# Altium PCB controller_V1.3.1.PcbDoc (part 6 of 7) (continued)
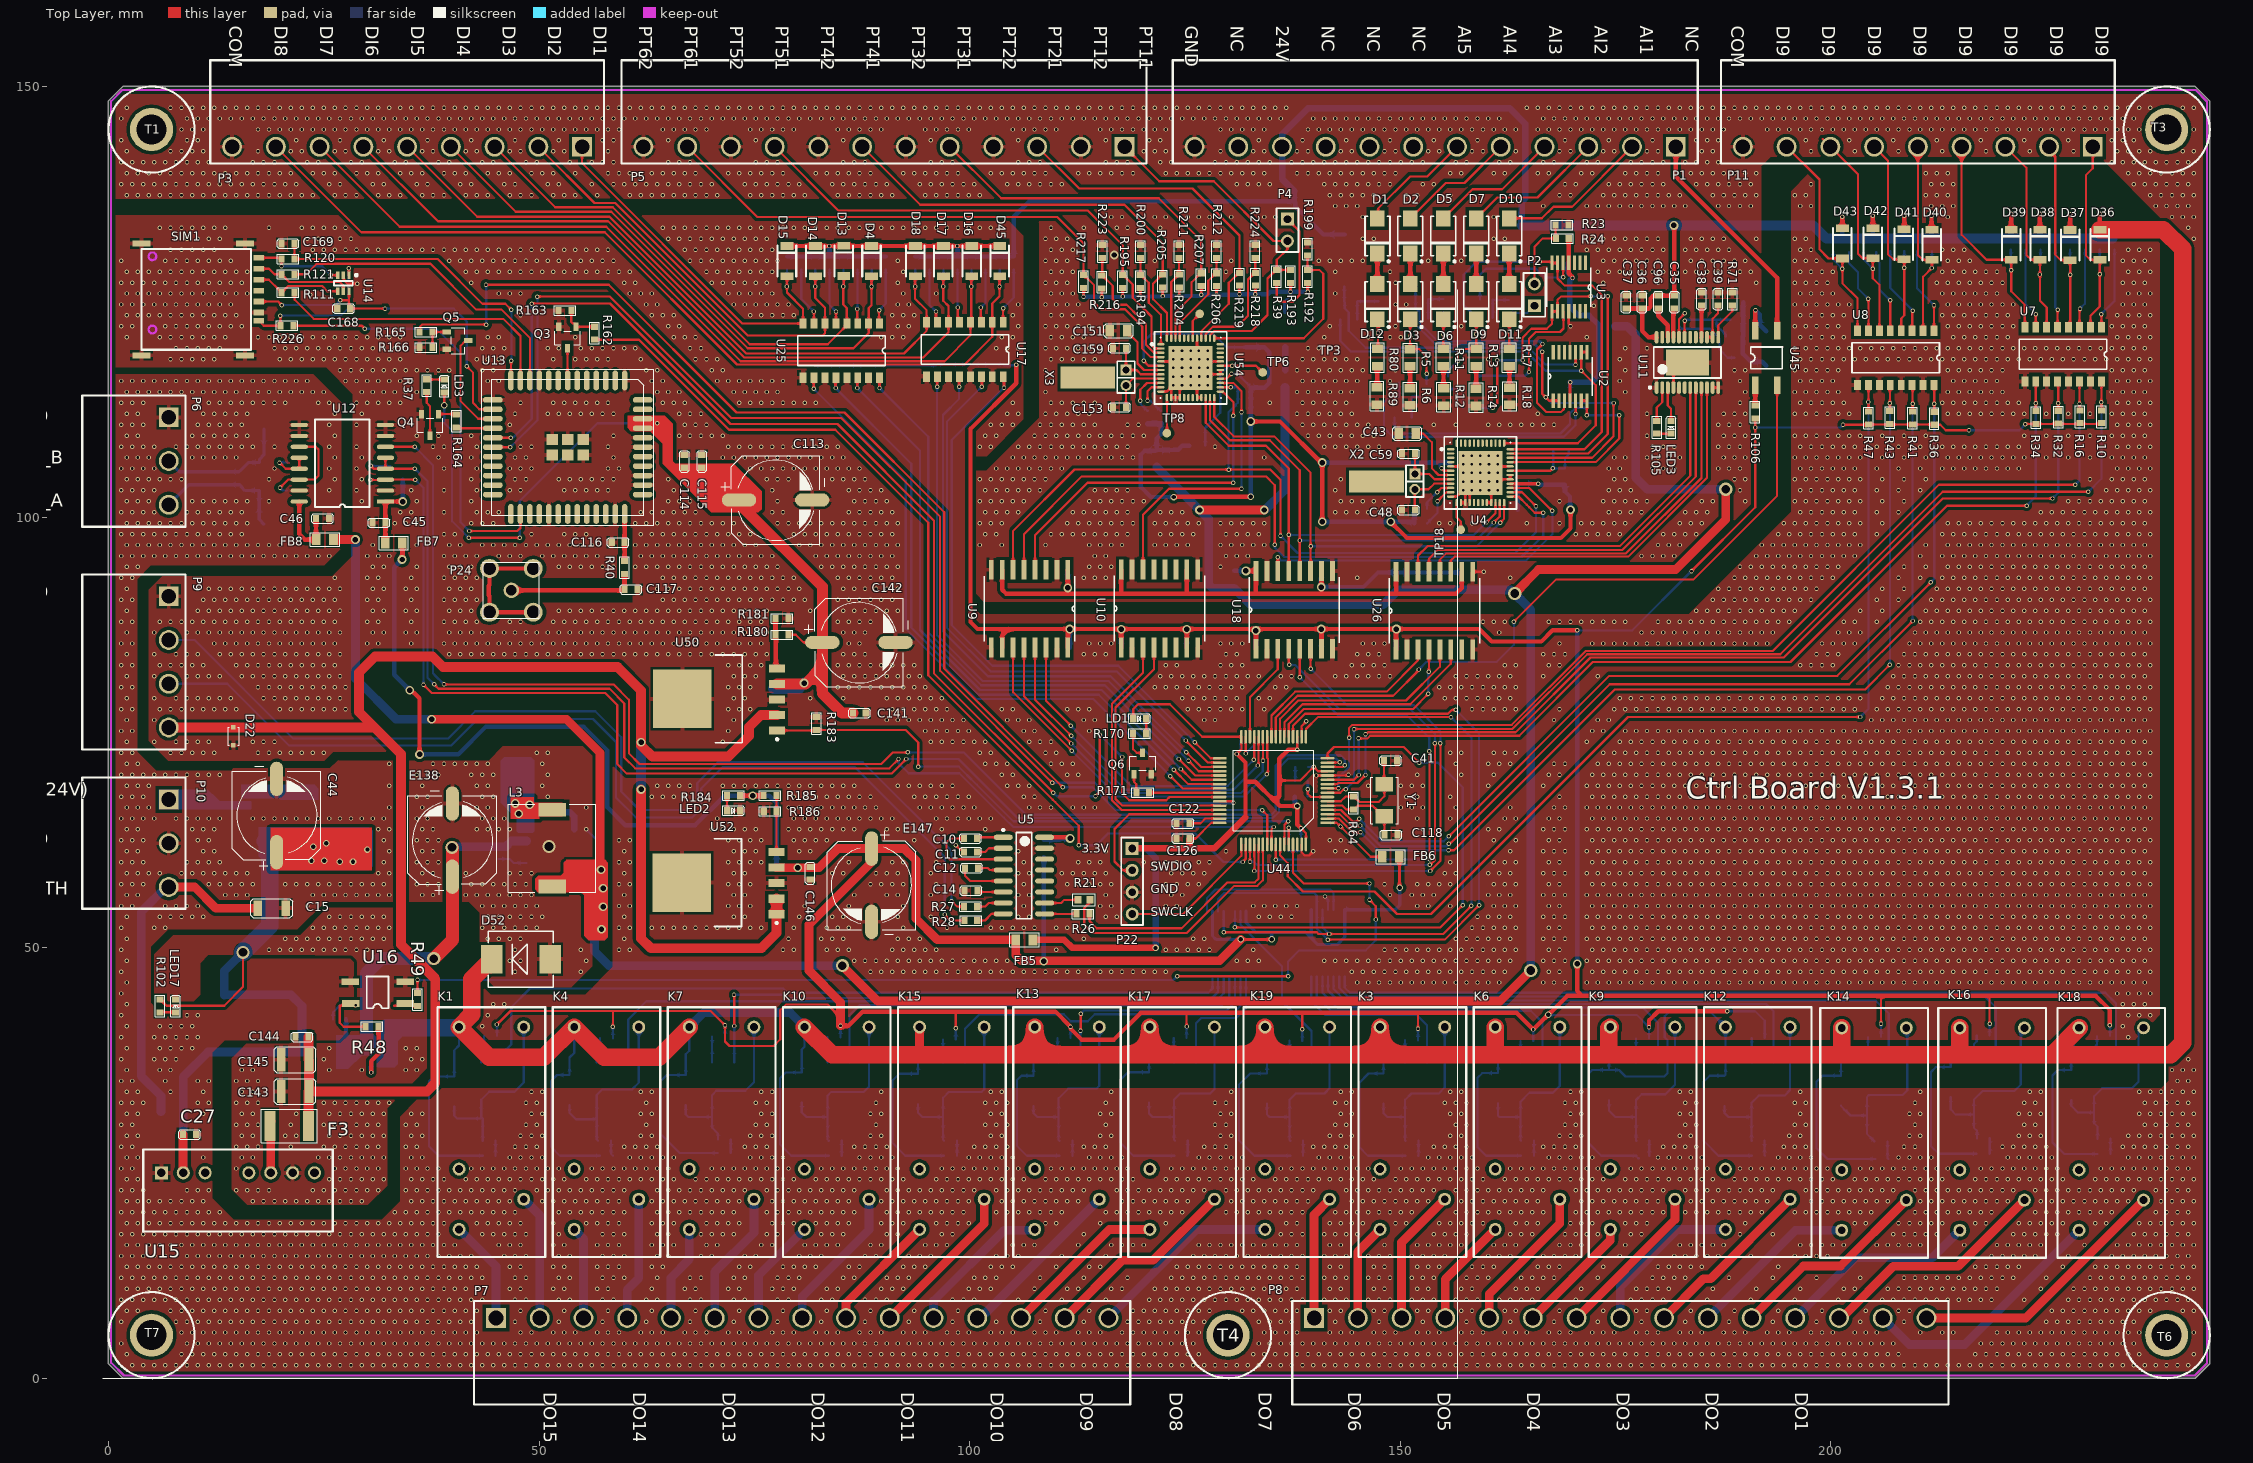
[diagram p0: Top Layer view]
## Nets (pads, with @x,y where several pads share a name; then routed paths per layer and width w, separated by ;. In a path a pad name is that pad's centre, name@x,y a point inside that pad or via, vN(x,y) a via of type N, cw(c..) or ccw(c..) an arc to the next point about the centre after c; other vN are vias at no path point) (continued)
LATCH_AO: U11.7 U26.14 | length 47.6
  Top Layer w0.254: U26.14@152.066,93.646 152.066,95.526 153.162,96.622 175.489,96.622 183.676,104.809 U11.7@183.676,115.033
LATCH_AO_MCU: U26.3 U44.25 | length 23.4
  Top Layer w0.254: U44.25@135.053,74.491 135.053,76.963 137.82,79.731 148.434,79.731 152.066,83.363 U26.3@152.066,84.604
LCD_RX: R26.2 U44.53 | length 27.2
  Top Layer w0.254: R26.2@113.917,53.924 113.917,53.084 114.753,52.248 124.614,52.248 129.948,57.582 133.121,57.582 133.553,58.014 U44.53@133.553,61.99
LCD_TX: R21.2 U44.54 | length 31
  Top Layer w0.254: R21.2@113.979,55.55 113.979,55.269 113.313,54.603 113.313,52.626 114.249,51.689 125.223,51.689 130.71,57.175 133.393,57.175 134.053,57.836 U44.54@134.053,61.991
LTE_MRX: U13.17 U44.42 | length 145.4
  Top Layer w0.254: U13.17@44.636,109.213 v2(46.692,109.213) ; v2(49.149,124.79) 58.242,124.79 72.238,110.795 84.658,110.795 95.845,99.608 95.845,97.079 95.845,81.854 v2(109.728,67.97) ; v2(114.609,67.569) 115.113,68.073 v2(115.113,74.727) ; v2(117.704,72.136) 117.704,67.945 118.541,67.107 122.835,67.107 123.219,67.491 U44.42@129.053,67.491
  Bottom Layer w0.254: v2@46.74,109.262 47.032,109.262 49.149,111.379 v2(49.149,124.79) ; v2(109.728,67.97) 110.129,67.569 v2(114.609,67.569) ; v2(115.113,74.727) v2(117.704,72.136)
LTE_MTX: U13.18 U44.43 | length 140.3
  Top Layer w0.254: U13.18@44.636,108.113 v2(46.671,108.113) ; v2(49.809,125.603) 58.217,125.603 72.314,111.506 85.09,111.506 96.571,100.025 96.571,97.79 96.571,82.162 v2(109.605,69.128) v2@109.707,69.026 ; U44.43@129.053,66.991 130.475,66.991 v2(130.638,66.827)
  Bottom Layer w0.254: v2(46.671,108.113) 49.809,111.252 v2(49.809,125.603) ; v2@109.819,69.139 114.529,69.139 116.891,66.777 127.33,66.777 ; 129.489,66.777 127.33,66.777 ; v2(130.638,66.827) 130.587,66.777 127.33,66.777
LTE_PWR_CTRL: R162.1 U44.50 | length 115.8
  Top Layer w0.254: R162.1@56.439,120.599 61.595,120.599 72.06,110.134 84.404,110.134 95.199,99.339 95.199,81.636 109.652,67.183 ; 109.957,66.878 109.652,67.183 ; v2(112.674,61.9) 112.674,64.16 109.652,67.183 ; v2(131.699,59.944) 132.053,60.298 U44.50@132.053,61.991
  Bottom Layer w0.254: v2(112.674,61.9) 114.732,61.9 116.078,63.246 126.187,63.246 129.489,59.944 v2(131.699,59.944)
LTE_RST: R165.1 U44.55 | length 143.3
  Top Layer w0.254: R165.1@36.119,121.49 36.219,121.591 36.219,122.148 36.424,122.352 v2(43.866,122.352) ; v2(43.84,126.975) 58.09,126.975 72.923,112.141 85.471,112.141 97.045,100.567 97.045,82.406 v2(110.82,68.631) ; v2(133.96,65.964) 134.553,65.37 U44.55@134.553,61.991
  Bottom Layer w0.254: v2(43.84,126.975) 43.866,126.949 v2(43.866,122.352) ; v2(110.82,68.631) 114.3,68.631 116.942,65.989 133.934,65.989 v2(133.96,65.964)
MAIN0: C5.2 U2.8 U2.9 U4.37 | length 53.3
  Top Layer w0.254: U4.37@162.063,108.581 170.607,108.581 172.695,110.668 172.695,115.314 v2(171.023,116.985) U2.9@171.023,119.151 U2.8@171.673,119.151
  Bottom Layer w0.254: C5.2@143.029,122.951 143.029,120.445 144.24,119.234 164.611,119.234 166.86,116.985 v2(171.023,116.985)
MAIN1: C13.2 U2.6 U2.7 U4.33 | length 49.2
  Top Layer w0.254: U4.33@162.763,106.381 172.7,106.381 175.438,109.118 v2(175.438,111.831) ; U2.6@171.023,113.513 U2.7@171.673,113.513 v2(171.673,111.83) v2@171.653,111.811
  Bottom Layer w0.254: C13.2@149.328,111.572 149.328,110.195 149.82,109.703 168.605,109.703 169.716,110.813 169.716,112.04 170.376,112.7 171.374,112.7 171.673,112.401 v2(171.673,111.83) v2@175.438,111.83
MAIN2: C3.2 U2.1 U2.2 U4.34 | length 49.2
  Top Layer w0.254: U4.34@162.763,106.881 172.286,106.881 174.777,109.372 v2(174.777,113.238) ; v2(166.497,119.202) 166.497,114.3 v2(166.891,113.906) 167.284,113.513 U2.1@167.773,113.513 U2.2@168.423,113.513
  Bottom Layer w0.254: C3.2@151.238,123.063 151.238,122.913 154.111,120.04 165.659,120.04 v2(166.497,119.202) ; v2(166.891,113.906) 167.559,113.238 v2(174.777,113.238)
MAIN3: C21.2 U3.8 U3.9 U4.35 | length 54.4
  Top Layer w0.254: v2(160.731,112.674) 161.265,113.208 v2(161.265,118.212) ; U4.35@162.763,107.381 171.82,107.381 174.092,109.652 v2(174.092,125.628) ; v2(164.211,118.212) 164.211,120.853 165.227,121.869 167.03,121.869 167.62,122.459 U3.8@167.62,123.876 U3.9@168.27,123.876 168.27,125.217 168.681,125.628 v2(172.123,125.628)
  Bottom Layer w0.254: C21.2@159.353,112.674 v2(160.731,112.674) ; v2(161.265,118.212) v2(164.211,118.212) ; v2(172.123,125.628) v2(174.092,125.628)
MAIN4: C4.2 U3.6 U3.7 U4.36 | length 52.3
  Top Layer w0.254: U4.36@162.763,107.881 171.406,107.881 173.406,109.88 173.406,125.781 172.314,126.873 169.099,126.873 168.27,127.702 U3.6@168.27,129.515 U3.7@167.62,129.515 167.62,129.591 167.57,129.642 v2(166.218,129.642)
  Bottom Layer w0.254: C4.2@158.726,123.129 158.726,123.279 157.38,124.625 157.38,128.17 158.852,129.642 v2(166.218,129.642)
MB_RX1: R227.1 U12.3 U44.15 | length 157.1
  Top Layer w0.254: v2(30.416,104.318) 32.131,104.318 U12.3@32.156,104.343 v2(35.636,104.343) ; v2(36.576,80.543) 37.567,79.553 57.709,79.553 59.08,78.181 59.08,71.323 60.198,70.206 90.932,70.206 v2(92.634,71.907) ; U44.15@141.553,71.491 142.708,71.491
  Bottom Layer w0.254: v2(30.416,104.318) R227.1@32.688,104.318 ; v2(35.636,104.343) 36.576,103.403 v2(36.576,80.543) ; v2(92.634,71.907) 98.704,71.907 105.562,65.049 135.204,65.049 135.938,65.783 135.938,70.889 137.008,71.958 142.545,71.958 v2(142.977,71.526)
MB_RX1_N: D79.2 F7.2 P6.2 R110.1 | length 15.4
  Bottom Layer w0.381: P6.2@7,106.502 8.245,105.258 R110.1@15.16,105.258 ; R110.1@15.395,105.417 15.395,105.492 16.227,106.324 F7.2@17.549,106.324 17.549,106.724 18.051,107.227 D79.2@18.051,110.236
MB_RX1_P: D78.2 F8.2 P6.3 R110.2 | length 15.9
  Bottom Layer w0.381: P6.3@7,101.422 9.335,103.758 R110.2@15.16,103.758 15.235,103.758 15.395,103.598 15.395,103.523 15.844,103.073 F8.2@17.497,103.073 17.497,99.72 D78.2@18.03,99.187
MB_RXEN1: R76.1 U12.4 U12.5 U44.56 | length 146.1
  Top Layer w0.254: v2(30.467,105.943) 30.797,105.613 U12.4@32.156,105.613 ; U12.5@32.156,106.883 U12.4@32.156,105.613 ; v2(35.585,105.613) U12.4@32.156,105.613 ; v2(37.821,80.569) 38.329,80.061 58.191,80.061 59.893,78.359 59.893,72.085 61.163,70.815 90.678,70.815 v2@91.745,71.882 ; U44.56@135.053,61.991 135.053,63.755 v2(135.306,64.008)
  Bottom Layer w0.254: v2(30.467,105.943) R76.1@32.739,105.943 ; v2(35.585,105.613) 37.052,104.147 37.052,81.337 v2(37.821,80.569) ; v2(91.745,71.907) 91.745,71.425 92.913,70.256 98.806,70.256 103.962,65.1 105.054,64.008 v2(135.306,64.008)
MB_TX1: U12.6 U44.14 | length 156.9
  Top Layer w0.254: U12.6@32.156,108.153 v2(35.56,108.153) ; v2(38.964,80.569) 58.649,80.569 60.427,78.791 60.427,72.568 61.671,71.323 89.738,71.323 91.084,72.669 v2(92.812,72.669) ; U44.14@141.553,70.991 143.355,70.991 v2(143.561,71.196)
  Bottom Layer w0.254: v2(35.56,108.153) 37.694,106.02 37.694,81.864 37.867,81.691 37.867,81.666 v2(38.964,80.569) ; v2(92.812,72.669) 99.314,72.669 106.553,65.43 135.046,65.43 135.557,65.941 135.557,71.161 136.736,72.339 143.078,72.339 143.561,71.857 v2(143.561,71.196)
MC\S\1: U4.27 U18.14 | length 43.6
  Top Layer w0.254: U18.14@135.785,93.749 v2(135.785,95.322) ; U4.27@162.763,103.381 164.998,103.381 v2(167.667,100.712)
  Bottom Layer w0.254: v2(135.785,95.322) 136.136,94.971 164.643,94.971 167.667,97.995 v2(167.667,100.712)
MC\S\_PT1: U10.14 U54.27 | length 33.3
  Top Layer w0.254: U10.14@120.138,93.901 120.138,100.275 123.139,103.276 v2(131.572,103.276) ; U54.27@129.108,115.573 129.975,115.573 129.983,115.581 130.599,115.581 131.572,114.608 v2(131.572,112.166)
  Bottom Layer w0.254: v2(131.572,103.276) v2(131.572,112.166)
MC\S\_PT2: U10.13
MD\R\D\Y\: U4.25 U9.5 | length 84
  Top Layer w0.254: U9.5@106.321,93.876 106.321,98.015 113.03,104.724 134.417,104.724 135.433,103.708 v2(135.433,96.774) ; U4.25@162.763,102.381 163.735,102.381 164.694,101.422 ; 164.973,101.143 164.694,101.422 ; v2(166.599,100.508) 165.608,100.508 164.694,101.422
  Bottom Layer w0.254: v2(135.433,96.774) 135.433,96.462 136.543,95.352 164.084,95.352 166.599,97.866 v2(166.599,100.508)
MD\R\D\Y\_MCU: U9.12 U44.27 | length 43.1
  Top Layer w0.254: U9.12@106.321,84.833 106.321,79.176 v2(111.785,73.711) ; U44.27@134.053,74.491 134.053,71.712 v2(134.061,71.704)
  Bottom Layer w0.254: v2(111.785,73.711) 117.551,67.945 131.496,67.945 134.036,70.485 134.036,71.679 v2(134.061,71.704)
MD\R\D\Y\_PT1: U9.4 U54.25 | length 41
  Top Layer w0.254: U9.4@107.591,93.876 107.591,97.888 113.678,103.975 v2(130.619,103.975) ; U54.25@129.108,114.573 129.393,114.573 130.643,113.323 130.643,111.796 v2(130.607,111.76)
  Bottom Layer w0.254: v2(130.607,111.76) 130.607,103.988 v2(130.619,103.975) v2@130.632,103.962
MD\R\D\Y\_PT1_MCU: U9.13 U44.28 | length 40.8
  Top Layer w0.254: U9.13@107.591,84.833 107.591,78.795 v2(111.785,74.6) ; v2(133.452,71.145) 133.452,71.214 133.553,71.316 U44.28@133.553,74.491
  Bottom Layer w0.254: v2(111.785,74.6) 118.059,68.326 130.632,68.326 v2(133.452,71.145)
MD\R\D\Y\_PT2: U9.3
MD\R\D\Y\_PT2_MCU: U9.14 U44.29 | length 38.4
  Top Layer w0.254: U9.14@108.861,84.833 108.861,78.668 v2(111.76,75.768) ; v2(132.994,71.806) 132.994,71.875 133.053,71.933 U44.29@133.053,74.491
  Bottom Layer w0.254: v2(111.76,75.768) 118.745,68.783 129.972,68.783 v2(132.994,71.806)
MIBSPI1CLK: U18.4 U44.51 | length 60.6
  Top Layer w0.254: v2@132.537,59.969 v2(132.553,59.985) U44.51@132.553,61.991 ; v2@137.055,82.884 U18.4@137.055,84.706 ; v2(153.43,59.614) 153.497,59.614 154.051,60.168 154.051,73.711 v2(154.026,73.736)
  Bottom Layer w0.254: v2(132.553,59.985) 133.008,59.985 133.379,59.614 v2(153.43,59.614) ; v2(137.109,82.829) 137.795,82.829 142.9,77.724 151.105,77.724 154.051,74.778 154.051,73.762 v2(154.026,73.736)
MIBSPI1MCS1: U18.3 U44.30 | length 11.6
  Top Layer w0.254: U44.30@132.553,74.491 132.553,79.086 135.785,82.318 U18.3@135.785,84.706
MIBSPI1MCS2: U10.3 U44.45 | length 32.2
  Top Layer w0.254: U10.3@120.138,84.859 120.138,81.937 116.535,78.334 116.535,67.132 117.677,65.991 U44.45@129.053,65.991
MIBSPI1MCS3: U10.4 U44.44 | length 31.9
  Top Layer w0.254: U10.4@121.408,84.859 121.408,82.343 116.942,77.876 116.942,67.265 117.684,66.523 120.625,66.523 129.021,66.523 U44.44@129.053,66.491
MIBSPI1SIMO: U18.5 U44.57 | length 55
  Top Layer w0.254: U44.57@135.553,61.991 135.553,60.23 v2(135.56,60.223) ; v2@138.325,81.411 U18.5@138.325,84.706 ; v2(153.365,72.822) 153.413,72.774 v2(153.413,60.249)
  Bottom Layer w0.254: v2(135.56,60.223) 153.388,60.223 v2(153.413,60.249) ; v2(138.328,81.407) 142.824,76.911 150.825,76.911 153.365,74.371 v2(153.365,72.822)
MIBSPI1SOMI: U18.6 U44.52 | length 61.4
  Top Layer w0.254: v2(133.045,58.903) 133.061,58.918 133.061,60.543 133.053,60.551 U44.52@133.053,61.991 ; v2(139.595,82.376) U18.6@139.595,84.706 ; v2(153.492,58.903) 154.661,60.071 v2(154.661,73.736)
  Bottom Layer w0.254: v2(133.045,58.903) v2(153.492,58.903) ; v2@139.598,82.372 143.815,78.156 151.613,78.156 152.832,76.937 ; 153.391,76.378 152.832,76.937 ; v2(154.661,73.736) 154.661,75.108 152.832,76.937
MISO_AO_MCU: U26.6 U44.22 | length 25.5
  Top Layer w0.254: U44.22@136.553,74.491 136.553,76.159 138.651,78.257 151.177,78.257 155.876,82.956 U26.6@155.876,84.604
MOSI_AO_MCU: U26.5 U44.23 | length 25.1
  Top Layer w0.254: U44.23@136.053,74.491 136.053,76.581 138.161,78.689 150.669,78.689 154.606,82.626 U26.5@154.606,84.604
MSR0: D12.2 R7.2 R80.2 | length 5.7
  Top Layer w0.254: R80.2@147.353,119.526 147.422,119.595 147.422,122.9 D12.2@147.353,122.969
  Bottom Layer w0.254: v2(147.422,121.412) 147.422,123.488 R7.2@147.493,123.559
MSR1: D3.2 R5.2 R29.2 | length 8.9
  Top Layer w0.254: D3.2@151.179,122.969 151.153,122.943 v2(151.153,120.952) R5.2@151.153,119.5 152.209,119.5 153.06,118.649 v2(153.06,116.662)
  Bottom Layer w0.254: v2(153.06,116.662) 153.06,115.48 R29.2@153.081,115.46
MSR2: D6.2 R1.2 R11.2 | length 6
  Top Layer w0.254: R11.2@155.005,119.526 D6.2@155.005,122.969
  Bottom Layer w0.254: v2(155.005,121.247) R1.2@155.005,123.806
MSR3: D9.2 R13.2 R44.2 | length 9
  Top Layer w0.254: v2(156.667,118.11) 156.667,119.131 157.062,119.526 R13.2@158.83,119.526 v2(158.83,121.247) D9.2@158.83,122.969
  Bottom Layer w0.254: R44.2@155.55,116.359 155.55,116.992 v2(156.667,118.11)
MSR4: D11.2 P2.1 R3.2 R17.2 | length 8.9
  Top Layer w0.254: R17.2@162.656,119.526 D11.2@162.656,122.969
  Bottom Layer w0.254: v2@162.656,121.537 v2(162.631,121.562) R3.2@162.631,123.712 164.758,123.712 P2.1@165.583,124.536
MSTART: R19.2 R189.2 U4.26 U9.6 U54.26 | length 96.2
  Top Layer w0.254: U9.6@105.051,93.876 105.051,98.396 112.166,105.512 v2(130.073,105.512) 134.925,105.512 136.093,104.343 v2(136.093,97.815) ; U54.26@129.108,115.073 v2(130.342,115.073) v2@130.353,115.062 ; U4.26@162.763,102.881 164.15,102.881 164.313,102.718 ; 164.643,102.387 164.313,102.718 ; v2(165.76,101.27) 164.313,102.718
  Bottom Layer w0.254: v2(130.073,105.512) 130.073,112.189 R189.2@131.143,113.259 R19.2@131.143,115.037 131.107,115.073 v2(130.342,115.073) ; v2(136.093,97.815) 138.074,95.834 163.347,95.834 165.76,98.247 v2(165.76,101.27)
MSTART_MCU: U9.11 U44.26 | length 45.2
  Top Layer w0.254: U9.11@105.051,84.833 105.051,79.658 v2(111.862,72.847) ; v2(134.513,70.15) 134.513,70.218 134.645,70.351 134.645,71.933 134.553,72.025 U44.26@134.553,74.491
  Bottom Layer w0.254: v2(111.862,72.847) 117.145,67.564 117.881,67.564 131.928,67.564 v2(134.513,70.15)
NetC3_1: C3.1 R1.1 R2.2 | length 4
  Bottom Layer w0.254: C3.1@153.238,123.063 153.264,123.089 R2.2@153.264,125.326 153.284,125.306 R1.1@155.005,125.306
NetC4_1: C4.1 R3.1 R4.2 | length 4
  Bottom Layer w0.254: C4.1@160.726,123.129 160.752,123.155 R4.2@160.752,125.247 160.788,125.212 R3.1@162.631,125.212
NetC5_1: C5.1 R7.1 R8.2 | length 4.6
  Bottom Layer w0.254: C5.1@145.029,122.951 145.003,122.977 R8.2@145.003,125.034 145.029,125.059 R7.1@147.493,125.059
NetC6_2: C6.2 R2.1 U2.3 | length 32
  Top Layer w0.254: v2(166.522,120.091) 165.887,119.456 165.887,113.259 166.929,112.217 168.681,112.217 169.022,112.558 169.022,113.462 U2.3@169.073,113.513
  Bottom Layer w0.254: C6.2@151.788,127.306 C6.2@151.788,127.231 151.776,127.219 151.776,125.338 R2.1@151.764,125.326 151.764,124.337 152.238,123.863 152.238,122.554 154.371,120.421 166.192,120.421 v2(166.522,120.091)
NetC7_2: C7.2 R4.1 U3.5 | length 15
  Top Layer w0.254: U3.5@168.92,129.515 v2(168.92,127.828) v2@168.935,127.813
  Bottom Layer w0.254: R4.1@159.252,125.247 C7.2@159.252,126.771 159.252,128.112 159.969,128.829 165.775,128.829 166.791,127.813 v2@168.935,127.813
NetC8_2: C8.2 R8.1 U2.10 | length 34.8
  Top Layer w0.254: v2(170.358,117.704) 170.365,117.711 170.365,119.144 U2.10@170.373,119.151
  Bottom Layer w0.254: R8.1@143.503,125.034 143.552,124.985 143.552,124.228 144.029,123.751 144.029,123.023 144.018,123.012 144.018,121.641 145.999,119.659 164.922,119.659 166.878,117.704 v2(170.358,117.704) ; R8.1@143.503,125.034 C8.2@143.505,126.787
NetC10_1: C10.1 U5.1 | length 3.1
  Top Layer w0.254: C10.1@100.834,62.687 100.961,62.814 U5.1@103.908,62.814
NetC10_2: C10.2 U5.3 | length 10.5
  Top Layer w0.254: C10.2@99.334,62.687 97.79,62.687 97.307,62.205 97.307,60.63 97.663,60.274 U5.3@103.908,60.274
NetC11_1: C11.1 U5.2 | length 3.2
  Top Layer w0.254: C11.1@100.86,61.112 101.803,61.112 102.235,61.544 U5.2@103.908,61.544
NetC12_1: C12.1 U5.4 | length 3
  Top Layer w0.254: C12.1@100.963,59.233 102.133,59.233 102.362,59.004 U5.4@103.908,59.004
NetC12_2: C12.2 U5.5 | length 5.6
  Top Layer w0.254: C12.2@99.463,59.233 99.463,58.348 100.076,57.734 U5.5@103.908,57.734
NetC13_1: C13.1 R29.1 R30.2 | length 4.1
  Bottom Layer w0.254: C13.1@151.328,111.572 151.329,111.573 R30.2@151.329,113.934 151.355,113.96 R29.1@153.081,113.96
NetC14_1: C14.1 U5.6 | length 3.1
  Top Layer w0.254: C14.1@100.91,56.617 101.063,56.464 U5.6@103.908,56.464
NetC17_2: C17.2 R30.1 U2.5 | length 32.7
  Top Layer w0.254: v2(170.358,111.963) 170.373,111.978 U2.5@170.373,113.513
  Bottom Layer w0.254: C17.2@149.853,115.585 149.841,115.573 149.841,113.946 R30.1@149.829,113.934 148.739,113.934 148.107,113.302 148.107,110.338 149.123,109.322 169.012,109.322 170.358,110.668 v2(170.358,111.963)
NetC21_1: C21.1 R44.1 R45.2 | length 3.9
  Bottom Layer w0.254: R44.1@155.55,114.859 157.251,114.859 R45.2@157.302,114.808 157.302,112.725 C21.1@157.353,112.674
NetC25_2: C25.2 R45.1 U3.10 | length 18.3
  Top Layer w0.254: v2(164.948,116.84) 164.948,120.701 165.735,121.488 168.554,121.488 168.961,121.895 168.961,123.835 U3.10@168.92,123.876
  Bottom Layer w0.254: R45.1@158.802,114.808 158.799,114.811 158.799,116.395 C25.2@158.796,116.398 164.506,116.398 v2(164.948,116.84)
NetC35_1: C35.1 U11.21 | length 3.4
  Top Layer w0.508: U11.21@181.726,120.883 181.726,124.109 181.822,124.205 C35.1@181.827,124.205
NetC38_1: C38.1 U11.16 | length 3.7
  Top Layer w0.508: U11.16@184.976,120.883 184.989,120.896 184.989,124.549 C38.1@185.002,124.562
NetC39_1: C39.1 U11.14 U11.15 | length 4.6
  Top Layer w0.254: U11.15@185.626,120.883 U11.14@186.276,120.883 186.276,123.03 186.907,123.661 C39.1@186.907,124.562
NetC41_2: C41.2 R64.1 U44.6 Y1.2 | length 11.5
  Top Layer w0.254: U44.6@141.553,66.991 143.089,66.991 143.637,67.539 R64.1@144.601,67.539 144.676,67.539 145.311,66.904 147.498,66.904 148.157,67.563 Y1.2@148.157,68.953 148.128,68.982 C41.2@148.128,71.704
NetC43_1: C43.1 U4.7 | length 7.8
  Top Layer w0.254: C43.1@151.82,109.703 152.679,109.703 153.679,108.703 153.679,105.655 154.453,104.881 U4.7@155.863,104.881
NetC48_1: C48.1 U4.9 X2.1 | length 6.9
  Top Layer w0.254: C48.1@151.693,100.813 X2.1@151.693,103.226 153.289,103.226 153.944,103.881 U4.9@155.863,103.881
NetC59_1: C59.1 U4.8 X2.2 | length 6.8
  Top Layer w0.254: C59.1@151.718,107.351 151.718,105.029 X2.2@151.693,105.004 153.365,105.004 153.988,104.381 U4.8@155.863,104.381
NetC87_2: C87.2 R123.1 | length 1.8
  Bottom Layer w0.254: R123.1@218.416,26.064 218.467,26.115 C87.2@218.467,27.868
NetC88_2: C88.2 R125.1 | length 1.8
  Bottom Layer w0.254: C88.2@58.35,27.576 58.35,26.058 R125.1@58.569,25.84
NetC89_2: C89.2 R126.1 | length 1.8
  Bottom Layer w0.254: R126.1@232.462,26.039 232.488,26.064 C89.2@232.488,27.817
NetC90_2: C90.2 R122.1 | length 1.7
  Bottom Layer w0.254: R122.1@44.954,25.84 C90.2@44.954,27.576
NetC91_2: C91.2 R129.1 | length 1.5
  Bottom Layer w0.254: R129.1@72.263,26.162 72.264,26.163 C91.2@72.264,27.711
NetC93_2: C93.2 R133.1 | length 1.7
  Bottom Layer w0.254: R133.1@85.143,25.84 C93.2@85.143,27.576
NetC95_2: C95.2 R137.1 | length 1.7
  Bottom Layer w0.254: R137.1@111.935,25.84 C95.2@111.935,27.576
NetC96_1: C96.1 U11.22 | length 3.8
  Top Layer w0.508: C96.1@179.964,124.205 179.964,123.388 181.076,122.276 U11.22@181.076,120.883
NetC98_2: C98.2 R141.1 | length 1.7
  Bottom Layer w0.254: R141.1@98.539,25.84 C98.2@98.539,27.576
NetC102_2: C102.2 R145.1 | length 1.8
  Bottom Layer w0.254: R145.1@125.269,25.84 125.332,25.902 C102.2@125.332,27.576
NetC104_2: C104.2 R149.1 | length 1.7
  Bottom Layer w0.254: R149.1@138.728,25.84 C104.2@138.728,27.576
NetC106_2: C106.2 R151.1 | length 1.7
  Bottom Layer w0.254: R151.1@152.091,25.84 152.124,25.872 C106.2@152.124,27.576
NetC107_2: C107.2 R153.1 | length 1.7
  Bottom Layer w0.254: R153.1@165.52,25.84 C107.2@165.52,27.576
NetC109_2: C109.2 R155.1 | length 1.7
  Bottom Layer w0.254: R155.1@178.917,25.84 C109.2@178.917,27.576
NetC110_2: C110.2 R157.1 | length 1.8
  Bottom Layer w0.254: C110.2@192.313,27.576 192.313,25.878 R157.1@192.352,25.84
NetC111_2: C111.2 R159.1 | length 2.1
  Bottom Layer w0.254: C111.2@206.578,27.487 206.578,25.558 R159.1@206.681,25.455
NetC116_1: C116.1 R40.1 U13.35 | length 5.5
  Top Layer w0.508: R40.1@59.915,94.905 59.94,94.931 C116.1@59.94,97.064 59.936,97.068 U13.35@59.936,100.363
NetC117_1: C117.1 P24.1 R40.2 | length 15
  Top Layer w0.508: P24.1@46.787,91.491 59.821,91.491 59.915,91.584 R40.2@59.915,93.405
NetC118_2: C118.2 R64.2 U44.5 Y1.1 | length 9.6
  Top Layer w0.254: U44.5@141.553,66.491 143.288,66.491 143.74,66.039 R64.2@144.601,66.039 144.676,66.039 145.123,66.485 146.774,66.485 148.007,65.253 Y1.1@148.157,65.253 C118.2@148.157,63.094
NetC119_2: C119.2 U44.31 | length 3.9
  Top Layer w0.254: v2(132.053,72.544) U44.31@132.053,74.491
  Bottom Layer w0.254: v2(132.053,72.544) 133.053,73.544 C119.2@133.053,74.104
NetC120_2: C120.2 R168.1 U44.7 | length 4.8
  Top Layer w0.254: v2(139.266,68.402) 139.266,67.862 139.637,67.491 U44.7@141.553,67.491
  Bottom Layer w0.254: C120.2@139.266,69.342 v2(139.266,68.402) R168.1@139.267,67.539 R168.1@139.267,67.539
NetC122_2: C122.2 U44.47 | length 3.8
  Top Layer w0.254: C122.2@125.528,64.44 126.822,64.44 127.373,64.991 U44.47@129.053,64.991
NetC137_1: C137.1 D35.2 L3.1 U6.8 | length 3.2
  Bottom Layer w0.762: v4(47.65,65.557) 47.719,65.557 47.897,65.735 C137.1@50.773,65.735
  other v4: 48.895,66.599 47.244,66.751
NetC137_2: C137.2 U6.1 | length 3.5
  Bottom Layer w0.762: C137.2@52.273,65.735 53.569,65.735 54.077,65.227 U6.1@54.077,63.733
NetC151_1: C151.1 U54.7 | length 7.3
  Top Layer w0.254: C151.1@118.292,121.641 118.292,121.491 119.482,120.301 119.482,117.831 120.24,117.073 U54.7@122.208,117.073
NetC153_1: C153.1 U54.9 X3.1 | length 6.9
  Top Layer w0.254: C153.1@118.165,112.751 X3.1@118.165,115.291 118.947,116.073 U54.9@122.208,116.073
NetC159_1: C159.1 U54.8 X3.2 | length 6.8
  Top Layer w0.254: C159.1@118.165,119.609 X3.2@118.165,117.069 119.381,117.069 119.877,116.573 U54.8@122.208,116.573
NetD1_2: D1.2 D12.1 | length 3.5
  Top Layer w0.508: D12.1@147.353,127.069 D1.2@147.353,130.589
NetD2_2: D2.2 D3.1 | length 3.5
  Top Layer w0.508: D3.1@151.179,127.069 D2.2@151.179,130.589
NetD5_2: D5.2 D6.1 | length 3.5
  Top Layer w0.508: D6.1@155.005,127.069 D5.2@155.005,130.589
NetD7_2: D7.2 D9.1 | length 3.5
  Top Layer w0.508: D9.1@158.83,127.069 D7.2@158.83,130.589
NetD10_2: D10.2 D11.1 | length 3.5
  Top Layer w0.508: D11.1@162.656,127.069 D10.2@162.656,130.589
NetD72_1: D72.1 F2.2 | length 2.7
  Bottom Layer w0.762: F2.2@136.627,117.043 D72.1@136.627,119.743
NetF1_1: F1.1 Q2.1 Q2.2 Q2.5 Q2.6
NetF3_1: F3.1 U15.6 | length 6
  Top Layer w1.016: U15.6@18.847,23.851 18.847,29.794 F3.1@18.898,29.845
NetF7_1: F7.1 U12.12 U12.13 | length 4.8
  Top Layer w0.254: v2(19.863,106.324) 20.574,105.613 U12.13@22.156,105.613 U12.12@22.156,106.883
  Bottom Layer w0.254: v2(19.863,106.324) F7.1@20.799,106.324
NetF8_1: F8.1 U12.11 U12.14 | length 11.4
  Top Layer w0.254: v2(19.914,103.403) 20.853,104.343 U12.14@22.156,104.343 23.927,104.343 24.384,104.8 24.384,107.848 24.079,108.153 U12.11@22.156,108.153
  Bottom Layer w0.254: v2(19.914,103.403) 20.244,103.073 F8.1@20.747,103.073
NetLD1_2: LD1.2 R170.1 | length 1.7
  Top Layer w0.254: R170.1@120.487,74.847 120.499,74.86 LD1.2@120.499,76.581
NetLD3_2: LD3.2 R37.1 | length 2
  Top Layer w0.254: R37.1@36.959,116.002 36.983,115.978 LD3.2@38.991,115.978
NetLED2_1: LED2.1 R184.1 | length 1.7
  Top Layer w0.254: R184.1@71.827,67.64 71.827,65.938 LED2.1@71.853,65.913
NetLED3_1: LED3.1 R105.2 | length 1.7
  Top Layer w0.254: R105.2@179.793,109.677 LED3.1@181.444,109.677
NetLED3_2: LED3.2 U11.3 | length 4
  Top Layer w0.254: U11.3@181.076,115.033 181.076,112.955 181.444,112.586 LED3.2@181.444,111.177
NetLED17_1: LED17.1 R102.1 | length 1.8
  Top Layer w0.254: R102.1@5.991,42.494 7.772,42.494 LED17.1@7.798,42.469
NetP2_2: P2.2 R23.2 R24.1 | length 8.8
  Top Layer w0.254: P2.2@165.583,127.076 165.583,131.394 166.548,132.359 R24.1@168.07,132.359 168.046,132.384 168.046,133.884 R23.2@168.021,133.909
NetP4_1: P4.1 R39.2 | length 14.3
  Top Layer w0.254: R39.2@135.66,127.2 135.66,125.401 136.068,124.993 137.516,124.993 138.303,125.781 138.303,133.198 P4.1@136.906,134.595
NetP9_2: P9.2 R27.2 | length 120.9
  Top Layer w0.254: v2@97.892,55.448 98.577,54.762 R27.2@99.361,54.762
  Bottom Layer w0.254: P9.2@7,85.725 10.004,85.725 21.459,74.27 39.421,74.27 42.596,77.445 56.54,77.445 59.538,74.447 59.538,68.123 61.671,65.989 67.335,65.989 68.377,67.031 68.377,69.113 70.79,71.526 87.605,71.526 97.892,61.239 v2(97.892,55.372) v2@97.892,55.307
NetP9_3: P9.3 R28.2 | length 120.2
  Top Layer w0.254: v2@97.104,53.797 97.739,53.162 R28.2@99.385,53.162
  Bottom Layer w0.254: P9.3@7,80.645 13.792,80.645 20.98,73.457 39.776,73.457 42.875,76.556 48.641,76.556 49.327,76.556 56.261,76.556 58.928,73.889 58.928,67.412 61.214,65.126 67.818,65.126 68.834,66.142 68.834,68.478 71.323,70.968 86.665,70.968 97.104,60.528 v2(97.104,53.848)
NetP10_1: P10.1 Q2.4
NetP24_2: P24.2 P24.3 P24.4 P24.5 | length 15.3
  Top Layer w0.508: P24.4@49.327,88.951 P24.5@44.247,88.951 44.247,90.847 44.171,90.923 44.171,92.037 44.247,92.113 P24.2@44.247,94.031 P24.3@49.327,94.031
NetQ1_3: Q1.3 R48.1 | length 6.9
  Top Layer w0.508: v2(30.495,35.494) 30.495,36.794 31.37,37.669 R48.1@31.37,40.818
  Bottom Layer w0.508: v2(30.495,35.494) Q1.3@30.495,36.692
NetQ3_1: Q3.1 R162.2 R163.2 | length 4.4
  Top Layer w0.254: R163.2@53.748,123.977 53.748,122.645 53.922,122.471 54.122,122.471 54.295,122.298 Q3.1@54.295,122.098 56.437,122.098 R162.2@56.439,122.099
NetQ3_3: Q3.3 U13.7 | length 3.8
  Top Layer w0.254: Q3.3@53.295,119.598 53.295,115.905 U13.7@53.336,115.863
NetQ4_1: Q4.1 R164.2 | length 2.1
  Top Layer w0.254: Q4.1@38.331,111.96 40.341,111.96 R164.2@40.388,111.914
NetQ4_3: Q4.3 R37.2 | length 5.2
  Top Layer w0.254: R37.2@36.959,114.502 36.959,113.256 37.331,112.885 Q4.3@37.331,109.46
NetQ5_1: Q5.1 R165.2 R166.2 | length 3.5
  Top Layer w0.254: R166.2@37.619,119.712 R165.2@37.619,121.49 Q5.1@39.294,121.49
NetQ5_3: Q5.3 U13.15 | length 12.2
  Top Layer w0.254: Q5.3@41.794,120.49 41.621,120.317 41.323,120.317 40.894,119.888 40.894,113.462 42.942,111.413 U13.15@44.636,111.413
NetQ6_1: Q6.1 R171.2 | length 2.2
  Top Layer w0.254: Q6.1@119.087,70.119 119.087,69.254 119.351,68.99 R171.2@119.351,67.996
NetQ6_3: Q6.3 R170.2 | length 3.1
  Top Layer w0.254: R170.2@118.987,74.847 118.987,73.037 119.405,72.619 Q6.3@120.087,72.619
NetR5_1: R5.1 R6.2 | length 2.5
  Top Layer w0.508: R6.2@151.142,114.968 151.148,114.974 151.148,117.495 R5.1@151.153,117.5
NetR9_1: R9.1 U7.1 | length 9.6
  Top Layer w0.254: U7.1@231.419,122.048 v2(231.419,123.571)
  Bottom Layer w0.254: v2(231.419,123.571) 232.943,125.095 R9.1@232.943,131.064
NetR11_1: R11.1 R12.2 | length 2.6
  Top Layer w0.508: R11.1@155.005,117.526 155.029,117.501 155.029,114.967 R12.2@155.054,114.943
NetR13_1: R13.1 R14.2 | length 2.6
  Top Layer w0.508: R14.2@158.813,114.892 158.822,114.901 158.822,117.517 R13.1@158.83,117.526
NetR15_1: R15.1 U7.3 | length 9.3
  Top Layer w0.254: U7.3@228.879,122.048 228.879,124.086 228.93,124.137 v2(228.93,124.206)
  Bottom Layer w0.254: v2(228.93,124.206) 229.504,124.779 R15.1@229.504,131.064
NetR17_1: R17.1 R18.2 | length 2.5
  Top Layer w0.508: R17.1@162.656,117.526 162.69,117.492 162.69,115.072 R18.2@162.725,115.038
NetR20_2: R20.2 U4.10 | length 4.2
  Top Layer w0.254: v2(154.28,102.895) 154.765,103.381 U4.10@155.863,103.381
  Bottom Layer w0.254: R20.2@153.113,100.965 153.113,101.728 v2(154.28,102.895)
NetR21_1: R21.1 U5.10 | length 4
  Top Layer w0.254: U5.10@108.708,55.194 110.642,55.194 110.998,55.55 R21.1@112.582,55.55
NetR22_1: R22.1 U44.60 | length 3.1
  Top Layer w0.254: U44.60@137.053,61.991 v2(137.053,63.912)
  Bottom Layer w0.254: R22.1@136.982,62.738 137.053,62.809 v2(137.053,63.912)
NetR25_1: R25.1 R48.2 U16.4 | length 10.9
  Top Layer w0.254: v2(28.727,43.301) 28.682,43.256 26.848,43.256 26.848,41.275 27.305,40.818 R48.2@29.87,40.818
  Bottom Layer w0.254: R25.1@26.086,41.681 26.086,42.494 26.893,43.301 v2(28.727,43.301)
NetR26_1: R26.1 U5.9 | length 3.7
  Top Layer w0.254: U5.9@108.708,53.924 R26.1@112.417,53.924
NetR31_1: R31.1 U7.5 | length 9.2
  Top Layer w0.254: U7.5@226.339,122.048 226.339,124.028 v2(226.365,124.054)
  Bottom Layer w0.254: R31.1@226.064,131.064 226.064,124.355 v2(226.365,124.054)
NetR33_1: R33.1 U7.7 | length 9.5
  Top Layer w0.254: U7.7@223.799,122.048 v2(223.799,123.546)
  Bottom Layer w0.254: R33.1@222.624,131.064 222.624,124.721 v2(223.799,123.546)
NetR35_1: R35.1 U8.1 | length 10
  Top Layer w0.254: U8.1@211.988,121.641 v2(211.988,124.612)
  Bottom Layer w0.254: R35.1@210.016,130.859 210.016,126.585 v2(211.988,124.612)
NetR38_1: R38.1 U8.3 | length 10.3
  Top Layer w0.254: U8.3@209.448,121.641 209.448,123.832 209.525,123.909 v2(209.525,123.977)
  Bottom Layer w0.254: R38.1@206.908,130.859 206.908,126.594 v2(209.525,123.977)
NetR42_1: R42.1 U8.5 | length 9.8
  Top Layer w0.254: v2(206.883,125.171) 206.908,125.146 U8.5@206.908,121.641
  Bottom Layer w0.254: R42.1@205.283,130.783 205.283,129.921 205.638,129.565 205.638,126.416 v2(206.883,125.171)